# KiCad board TERES_PCB1-A64-MAIN_Rev.B.kicad_pcb (continued)
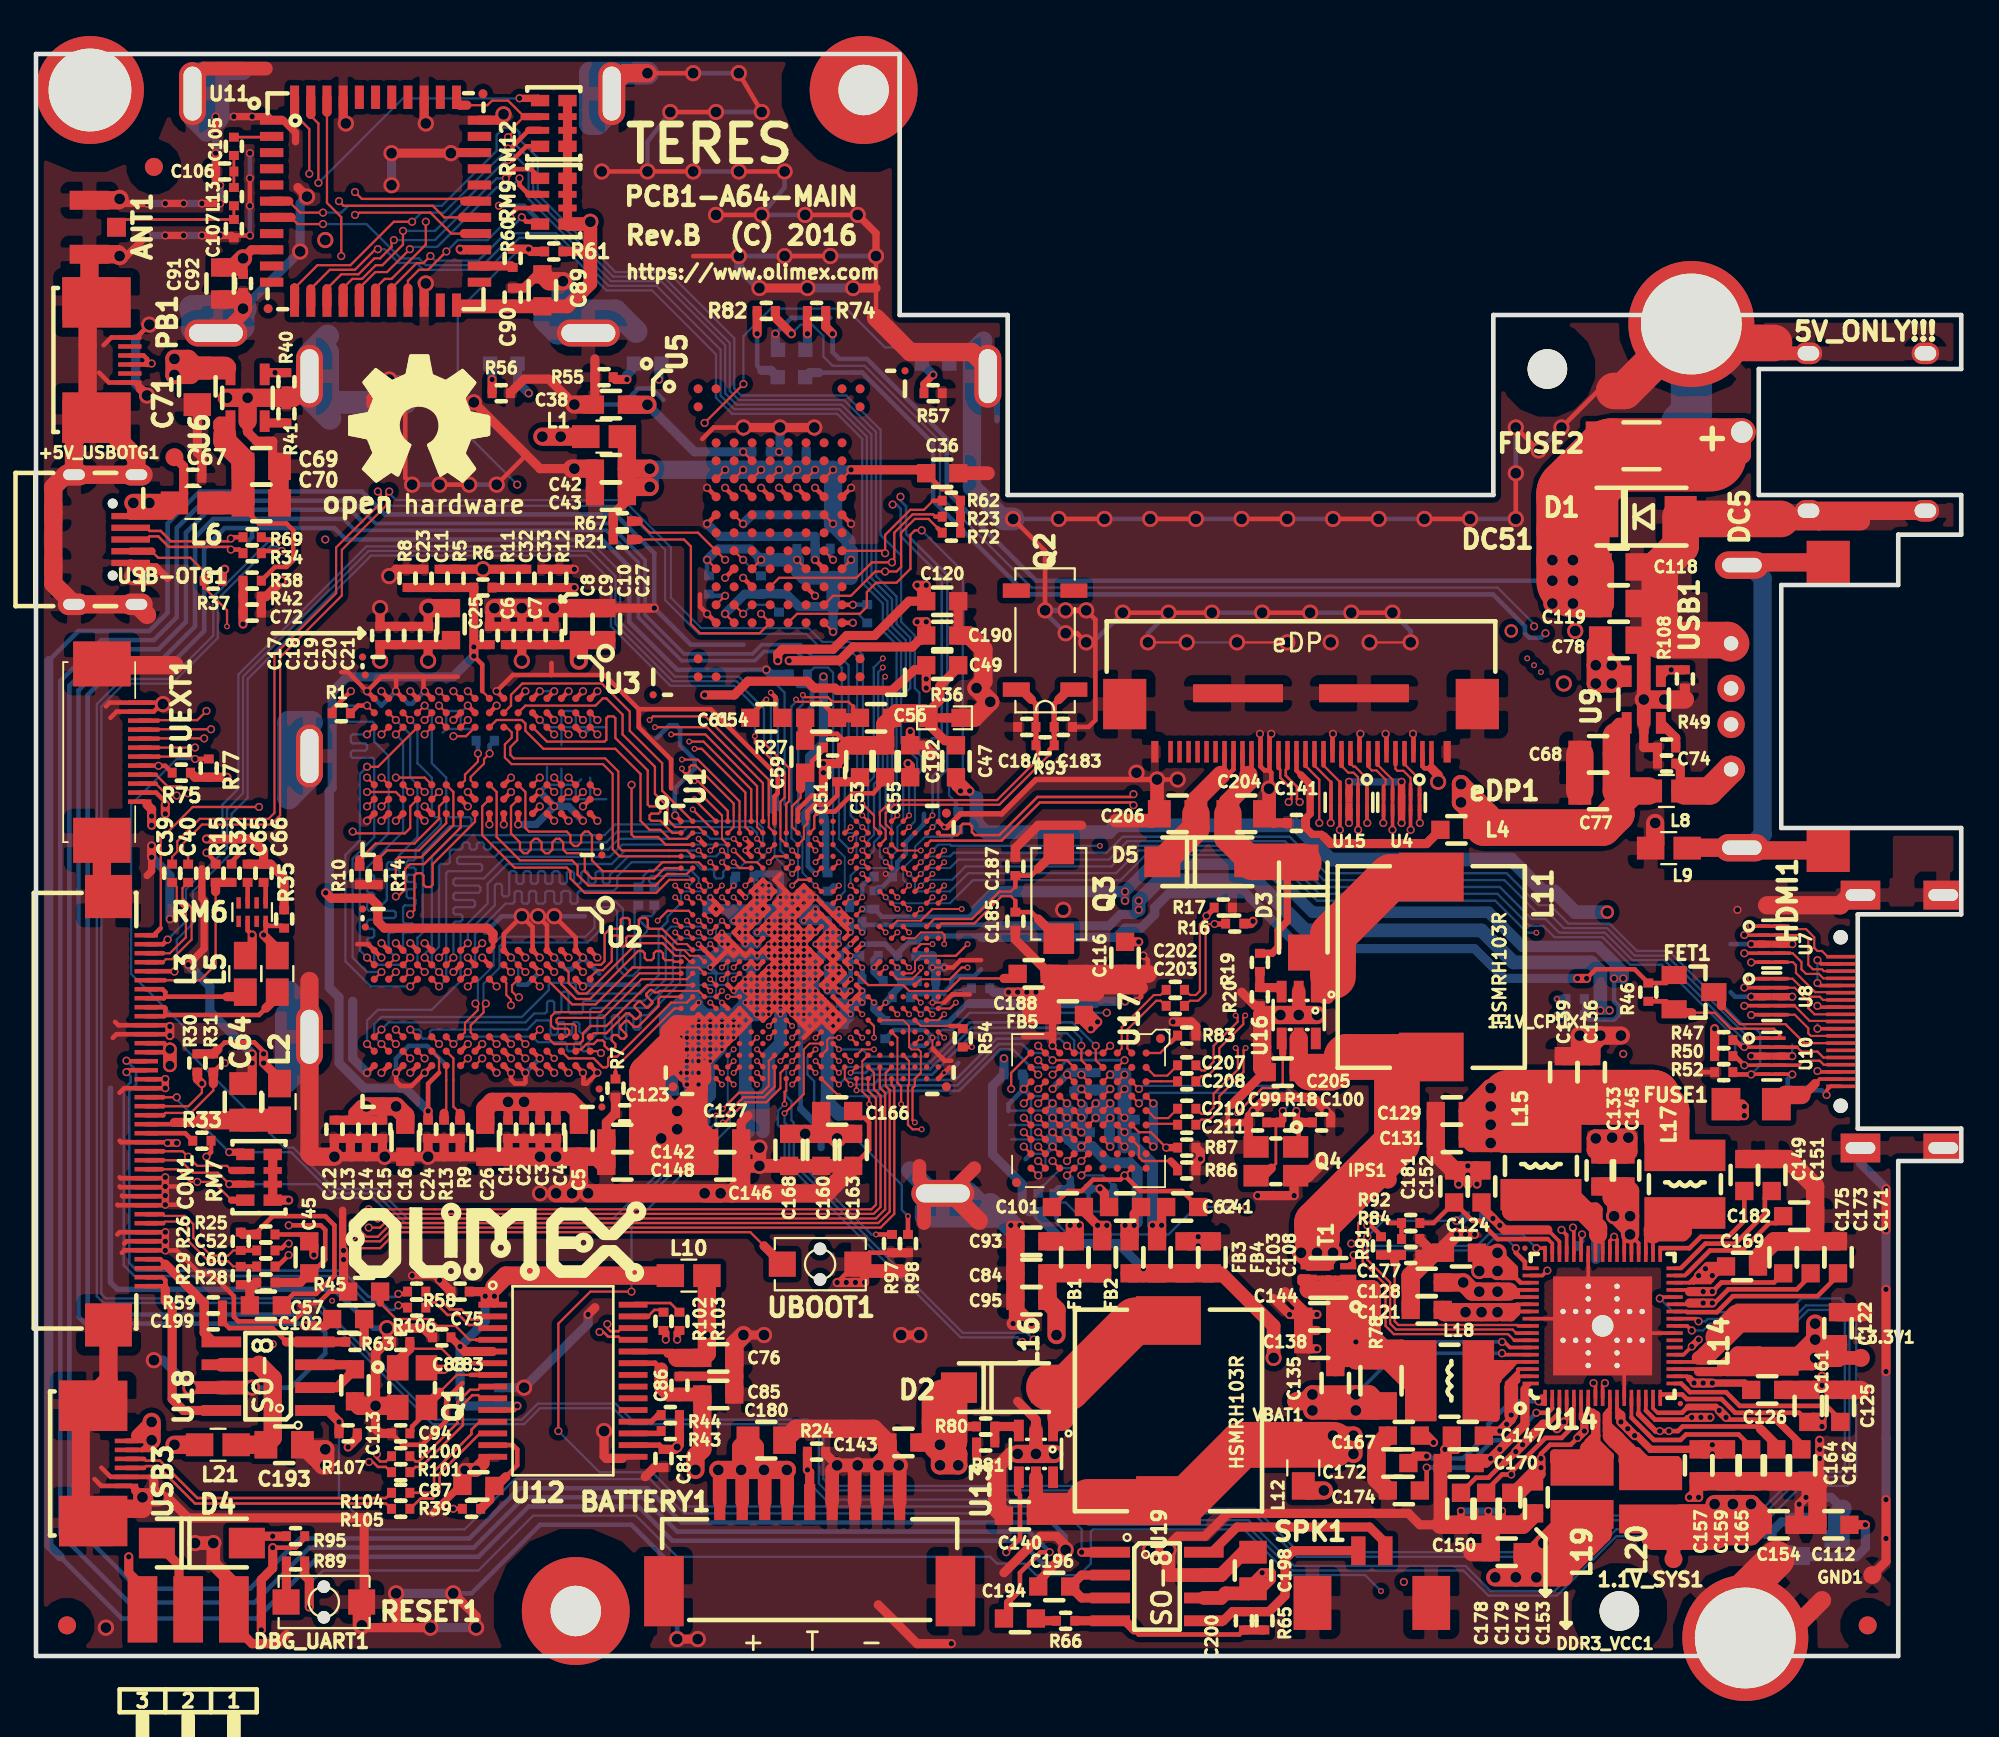
[diagram p0: board, top side]
## Routing (per net, layer and track width the routed paths; a pad name or vN(x,y) marks a point on that pad's centre or on a via; arc(x,y) is an arc through that point) (continued)
  Bottom w0.762: v2(60.5,28.3) v2(60.5,29.1) v2(60.5,29.9) v2(60.5,31.5) v2(60.5,32.3)
GND: length 3694.9
  Top w0.107: 50.5,38.25 v4(49.82,38.25) ; v4(49.82,34.35) 49.82,33.75 ; v4(49.82,36.3) 50.47,36.3
  Top w0.127: v2(20,32.4) 20.02,32.42 ; 50.5,46.03 v4(50.47,46.05) ; v2(20,53.6) 20.02,53.59 ; v2(59.7,29.9) U17.D6 ; v2(56.5,28.3) U17.G8 ; v2(56.5,32.3) U17.G2 ; 21.67,32.47 v2(21.6,32.4) ; 30.43,32.37 v2(30.4,32.4) ; v1(74.12,56.31) v1(76.4,56.31) ; v1(69.54,56.31) v1(66.75,56.31) ; v1(63.96,56.31) v1(61.8,56.31) ; U17.J9 v2(55.7,26.7) ; U17.J3 v2(54.9,31.5) ; U17.E5 v2(58.9,30.7) ; U17.G1 v2(56.5,33.9) ; U2.D8 v5(28.8,33.2) ; U17.H5 v2(56.5,30.7) ; U17.G6 v2(56.5,29.9) ; U17.G7 v2(56.5,29.1) ; U17.E6 v2(58.9,29.9) ; U17.D7 v2(59.7,28.3) ; U17.D5 v2(59.7,30.7)
  Top w0.2: HDMI1.8 99.08,36.05 v2(99.01,36.12) ; v2(99.01,37.39) 99.15,37.25 HDMI1.5 ; v2(99.01,38.66) 99.22,38.45 HDMI1.2 ; 100.3,34.85 v2(99.01,34.85)
  Top w0.203: v2(99.01,32.5) 99.1,32.5 99.15,32.45 HDMI1.17 ; U14.69 U14.69 U14.45 ; U14.69 86.67,18.74 U14.59 ; U14.69 87.47,17.94 U14.25 ; U14.69 88.27,17.14 U14.12
  Top w0.254: v2(28.8,53.6) U3.D1 ; v2(30.4,51.2) U3.B3 ; U2.G9 v2(26.4,32.4) 26.4,32.02 26.62,31.8 27.13,31.8 27.2,31.87 v2(27.2,32.4) U2.F9 ; v2(28,33.2) U2.E8 ; v2(28,38.8) U2.E1 27.6,40.5 v1(27,41.1) 26,40.1 U2.G1 v2(26.4,38.8) ; v4(38.12,36.3) U1.U5 ; U1.N4 v4(37.47,38.25) ; U1.N4 38.45,39.23 ; U1.N4 U1.M3 v4(36.82,39.55) ; v2(20,39.6) U2.P1 ; v4(39.43,45.4) U1.C7 v4(39.43,44.75) 39.75,44.42 ; v5(40.07,36.95) U1.R7 ; v5(40.07,36.95) 39.75,36.62 ; v5(40.07,36.95) U1.T8 ; v5(40.07,36.95) U1.R8 ; U1.R7 v4(39.43,36.95) ; U1.R7 v4(40.07,37.6) ; U1.R7 v4(39.43,37.6) ; v2(28.8,47.2) U3.D8 ; v2(26.8,46.2) U3.F9 ; 28.65,54.5 26.5,54.5 v2(25.6,53.6) U3.G1 ; 28.65,54.5 31.6,54.5 33.5,52.6 ; 28.65,54.5 28.65,55.17 ; 33.5,52.6 33.5,51.6 35.3,49.8 35.3,48.2 ; 33.5,52.6 37.5,52.6 41.23,48.87 41.22,47.93 41.05,47.75 41.05,46.25 ; v4(40.07,37.6) 40.4,37.92 ; v4(40.07,37.6) U1.R8 ; v4(40.07,37.6) 39.75,37.92 v4(39.43,37.6) ; 40.4,37.92 v4(40.72,38.25) ; 40.4,37.92 v5(40.72,37.6) ; U1.U8 v5(40.07,35.65) ; U1.U8 v5(40.07,36.3) ; U1.U8 v5(40.72,36.3) ; U1.U8 v4(40.72,35.65) ; v5(40.07,35.65) U1.V8 v4(40.72,35.65) ; v5(40.07,35.65) U1.U7 ; v4(40.72,38.9) U1.M9 ; v4(40.72,38.9) U1.M8 ; v4(40.72,38.9) U1.N9 ; U1.M9 v4(40.72,39.55) ; U1.M9 v5(41.38,38.9) ; U1.M9 v5(41.38,39.55) ; v5(41.38,40.85) U1.J10 ; v5(41.38,40.85) 42.03,41.5 ; v5(41.38,40.85) U1.K10 ; v5(41.38,40.85) U1.K9 ; v5(41.38,40.85) U1.J9 ; U1.J10 v4(42.03,40.85) ; U1.J10 41.38,41.5 ; v5(41.38,39.55) U1.L10 ; v5(41.38,39.55) U1.L9 ; v5(41.38,39.55) U1.M10 ; U1.L10 v5(42.03,40.2) ; U1.L10 v5(41.38,40.2) ; U1.L10 v5(42.03,39.55) ; v5(42.03,40.2) U1.K11 ; v5(42.03,40.2) U1.K10 ; v5(42.03,40.2) U1.L11 ; U1.K11 v4(42.68,40.2) ; U1.K11 v4(42.03,40.85) ; v4(40.72,38.25) U1.N9 ; v4(40.72,38.25) 41.05,37.92 ; U1.N9 v5(41.38,38.25) ; U1.N9 v5(41.38,38.9) ; v5(40.72,36.95) U1.R9 ; v5(40.72,36.95) U1.T8 ; v5(40.72,36.95) U1.T9 ; v5(40.72,36.95) U1.R8 ; U1.R9 v5(41.38,36.95) ; U1.R9 v5(40.72,37.6) ; U1.R9 v5(41.38,37.6) ; v5(41.38,36.3) U1.T10 ; v5(41.38,36.3) U1.T9 ; v5(41.38,36.3) 41.7,35.97 ; v5(41.38,36.3) U1.U9 ; U1.T10 v5(42.03,36.3) ; U1.T10 v5(41.38,36.95) ; U1.T10 v5(42.03,36.95) ; v5(41.38,37.6) 41.7,37.92 ; v5(41.38,37.6) 41.05,37.92 ; v5(41.38,37.6) U1.R10 ; 41.7,37.92 v5(42.03,38.25) ; 41.7,37.92 v5(41.38,38.25) ; 41.7,37.92 v5(42.03,37.6) ; v5(42.03,38.25) U1.N11 ; v5(42.03,38.25) U1.N10 ; v5(42.03,38.25) 42.35,37.92 ; U1.N11 v5(42.68,38.9) ; U1.N11 v5(42.68,38.25) ; U1.N11 v5(42.03,38.9) ; v5(42.03,39.55) U1.L11 ; v5(42.03,39.55) U1.M11 ; v5(42.03,39.55) U1.M10 ; U1.L11 v5(42.68,39.55) ; U1.L11 v4(42.68,40.2) ; v5(42.03,36.95) U1.R11 ; v5(42.03,36.95) U1.T11 ; v5(42.03,36.95) U1.R10 ; U1.R11 v5(42.68,36.95) ; U1.R11 v5(42.68,37.6) ; U1.R11 v5(42.03,37.6) ; v4(42.03,35.65) U1.U11 ; v4(42.03,35.65) 42.35,35.33 ; v4(42.03,35.65) 41.7,35.97 ; U1.U11 v4(42.68,35.65) ; U1.U11 v5(42.03,36.3) ; U1.U11 v5(42.68,36.3) ; v5(42.68,36.3) U1.T12 ; v5(42.68,36.3) U1.T11 ; v5(42.68,36.3) U1.U12 ; U1.T12 v4(43.32,36.95) ; U1.T12 v5(42.68,36.95) ; U1.T12 v4(43.32,36.3) ; v4(43.32,37.6) 43.65,37.92 v4(43.32,38.25) ; v4(43.32,37.6) U1.R12 ; v4(43.32,37.6) 43,37.92 ; v5(42.68,38.25) U1.N12 ; v5(42.68,38.25) 43,37.92 ; v5(42.68,38.25) 42.35,37.92 ; U1.N12 v5(42.68,38.9) ; U1.N12 v4(43.32,38.25) ; U1.N12 43.32,38.9 ; v5(42.68,39.55) U1.L12 ; v5(42.68,39.55) U1.M11 ; v5(42.68,39.55) U1.M12 ; U1.L12 v4(42.68,40.2) ; U1.L12 v4(43.32,40.2) ; v4(43.32,40.2) U1.K13 ; v4(43.32,40.2) U1.K12 v4(42.68,40.2) ; U1.M15 v4(45.28,38.9) U1.N15 v4(45.28,38.25) ; v4(43.32,42.15) U1.H13 U1.J14 ; v4(43.32,42.15) 43,41.83 ; v4(43.32,42.15) 43,42.48 ; v2(43.3,60.9) U5.L8 ; v2(38.3,59.9) U5.L3 ; v2(45.3,64.9) U5.G9 ; v2(42.3,64.9) U5.G7 ; v2(40.3,64.9) U5.G5 ; v2(38.3,64.9) U5.G3 ; v2(37.3,62.9) U5.H2 ; v2(44.53,20.75) 45.54,21.77 UBOOT1.2 46.31,22.4 R97.2 ; 32.59,10.97 32.68,11.07 U12.15 ; v2(11.89,78.92) 11.12,78.92 C107.1 ; v2(11.89,80.57) v2(11.89,82.09) ; v1(6.3,73.97) 5.58,73.25 PB1.1 4.19,73.25 3.76,72.82 ; v1(44.15,77.78) v1(41.6,77.78) ; v1(39.06,77.78) 36.53,77.78 ; v1(37.79,80.06) v1(40.34,80.06) ; v1(42.75,80.06) v1(45.67,80.06) ; v1(41.6,82.47) v1(39.06,82.47) ; v1(36.53,82.47) v1(33.99,82.47) v1(31.44,82.47) ; v1(35.25,85.78) v1(37.79,85.78) ; v1(40.34,85.78) v1(39.06,87.94) ; v1(36.53,87.94) v1(33.99,87.94) ; v2(72.09,51.23) 72.06,51.2 eDP1.12 ; v2(73.61,51.23) 73.56,51.18 eDP1.9 ; v2(75.01,51.23) 75.06,51.18 eDP1.6 ; v2(68.66,51.23) 68.56,51.13 eDP1.19 68.56,49.2 ; v2(68.02,51.23) 68.06,51.2 eDP1.20 68.06,49.42 68.28,49.2 68.56,49.2 ; 66.24,29.52 66.24,30.4 66.5,30.66 ; 49.82,33.75 50.37,33.2 ; 50.37,33.2 50.35,33.22 ; 50.37,33.2 50.5,33.07 50.88,33.07 ; v1(68.53,48.18) 68.66,48.31 68.66,49.07 68.56,49.17 68.56,49.2 ; U2.P9 20.02,32.42 20.02,31.93 20.27,31.67 20.87,31.67 U2.M9 ; v1(27.9,41.1) 28.4,40.6 U2.D1 v2(28.8,38.8) ; v1(28.8,41.1) 30,39.9 U2.B1 v2(30.4,38.8) ; 17.86,39.55 18.45,39.55 U2.T1 v2(19.2,38.8) ; 18.36,53.64 v2(18.4,53.6) 19.21,54.41 20.02,54.41 ; 18.36,53.64 17.34,54.66 16.97,54.66 ; 18.36,53.64 U3.T1 ; 20.02,54.41 20.02,54.28 20.02,54.41 ; 20.02,54.41 21.54,54.41 ; 20.02,54.41 20.02,53.59 U3.P1 ; 21.54,54.41 21.54,53.66 v2(21.6,53.6) U3.M1 ; 21.54,54.41 23.44,54.41 ; 36.91,58.98 36.91,58.29 v2(37.3,57.9) U5.P2 ; 52.53,38.66 51.38,38.66 50.97,38.25 v4(50.47,38.25) ; 50.5,32.42 v4(50.47,32.4) ; 50.5,32.42 U1.AC23 ; 50.5,32.42 50.76,32.69 51,32.69 ; 42.35,35.33 v4(42.68,35.65) ; 42.35,35.33 42.68,35 ; v4(42.68,35.65) 43,35.33 ; v4(42.68,35.65) U1.U12 ; 42.68,35 43,35.33 ; 42.68,35 43,34.67 ; 43,35.33 43.32,35.65 ; 43,35.33 43.32,35 ; 43.32,35.65 43.65,35.33 ; 43.32,35.65 43.65,35.97 ; 43.32,35.65 U1.U12 ; 43.65,35.97 v4(43.32,36.3) ; 43.65,35.97 43.97,36.3 ; 43.65,35.97 U1.V14 ; v4(43.32,36.3) U1.T13 ; v4(43.32,36.3) U1.U12 ; 43.97,36.3 U1.T13 ; 43.97,36.3 44.3,35.97 ; U1.T13 v4(43.32,36.95) ; 43.97,35 43.65,35.33 ; 43.97,35 44.3,34.67 44.62,35 ; 43.97,35 U1.V14 ; 43.65,35.33 44.3,35.97 ; 43.65,35.33 43.32,35 ; 44.62,35.65 44.3,35.97 ; 44.62,35.65 44.95,35.33 44.62,35 ; 44.62,35.65 U1.V14 ; 44.62,35 U1.V14 ; 43.32,38.9 U1.N13 v4(43.32,38.25) ; 43.32,38.9 U1.M12 ; 42.68,42.15 42.03,41.5 ; 42.68,42.15 43,41.83 ; 42.68,42.15 U1.G11 ; 42.68,42.15 43,42.48 ; 42.03,41.5 U1.J11 ; 42.03,41.5 41.7,41.83 ; U1.G11 42.68,42.8 43,42.48 ; U1.G11 v4(42.03,42.15) ; 44.62,40.85 44.95,40.52 ; 44.62,40.85 U1.J14 ; 44.62,40.85 U1.J15 ; 44.95,40.52 v4(45.28,40.2) U1.L15 ; 44.95,40.52 v4(45.28,40.85) U1.J15 ; 43,41.83 42.68,41.5 ; 42.68,41.5 U1.J11 ; 42.68,41.5 v4(42.03,42.15) ; 38.45,39.23 v4(38.12,39.55) ; 38.45,39.23 38.78,38.9 39.1,39.23 ; 38.45,39.23 38.78,39.55 ; v4(38.12,39.55) U1.L4 v4(38.12,40.2) U1.L5 ; v4(38.12,39.55) U1.L5 ; 38.78,39.55 39.1,39.23 ; 38.78,39.55 U1.L5 ; 39.1,39.23 39.43,38.9 39.75,39.23 v4(40.07,38.9) U1.M8 ; 41.38,43.45 41.05,43.12 41.7,42.48 ; 41.38,41.5 41.7,41.83 ; 41.38,41.5 U1.J9 ; 41.38,41.5 41.05,41.83 v4(41.38,42.15) ; 41.7,41.83 v4(42.03,42.15) ; 41.7,41.83 v4(41.38,42.15) ; v4(41.38,42.15) 41.7,42.48 ; 39.75,36.62 v4(39.43,36.3) U1.U7 ; 39.75,36.62 v5(40.07,36.3) ; 39.75,36.62 v4(39.43,36.95) ; 41.7,35.97 v5(42.03,36.3) ; 41.7,35.97 v4(41.38,35.65) U1.U9 ; v5(42.03,36.3) U1.T11 ; v4(42.03,42.15) 41.7,42.48 ; 51.89,36.75 50.93,36.75 50.47,36.3 ; 43.32,35 43,34.67 ; 43,34.67 42.68,34.35 ; R45.1 16.33,20.24 15.7,19.61 15.32,19.61 14.94,19.23 ; 14.94,19.23 14.3,18.59 11.25,18.59 11,18.85 11,19.99 9.73,21.26 9.09,21.26 7.82,22.53 v2(7.19,22.53) 7.17,22.54 CON1.5 4.92,22.54 4.78,22.4 ; 14.94,19.23 14.68,19.48 ; v1(20.9,65.08) 20.52,65.46 v1(20.52,69.65) ; v1(22.43,65.08) v1(24.08,65.08) ; v1(25.6,65.08) 27.25,66.73 27.13,66.6 27.13,66.85 ; v1(65.35,57.96) v1(62.94,57.96) v1(60.4,57.96) ; v1(68.15,57.96) v1(70.81,57.96) ; v1(73.1,57.96) v1(75.39,57.96) ; v1(58.37,56.31) 57.86,56.82 v1(57.23,56.82) ; v1(54.31,63.17) 56.08,61.39 v1(56.08,58.09) ; v1(56.84,63.17) v1(59.38,63.17) ; v1(61.93,63.17) v1(64.47,63.17) ; v1(67,63.17) v1(69.54,63.17) ; v1(72.09,63.17) v1(74.62,63.17) ; v1(77.16,63.17) v1(79.71,63.17) ; v1(82.25,63.17) v1(82.25,65.71) ; v1(82.25,68.25) v1(83.51,66.98) ; v1(84.78,68.25) 86.82,70.28 87.71,70.28 ; v2(61.54,38.91) 61.8,38.66 61.8,37.9 ; v2(61.16,36.37) 61.42,36.63 61.42,37.13 ; 46.69,74.35 v1(46.69,77.78) ; 37.03,67.62 37.67,68.25 v1(39.32,68.25) ; 5.79,70.41 5.45,70.75 PB1.6 4.05,70.75 3.5,71.3 ; 5.54,9.19 5.28,9.45 3.63,9.45 3.25,9.83 ; 3.63,10.47 4.15,9.95 6.31,9.95 6.55,9.7 ; v2(7.19,23.04) 7.18,23.04 CON1.6 5.03,23.04 4.9,22.91 ; v2(7.19,23.55) 7.19,23.54 CON1.7 4.64,23.54 4.52,23.42 ; v2(7.19,26.59) 7.14,26.54 CON1.13 4.7,26.54 4.65,26.59 ; v2(7.19,25.58) 7.15,25.54 CON1.11 4.81,25.54 4.78,25.58 ; v2(7.31,28.5) 7.27,28.54 CON1.17 4.73,28.54 4.65,28.63 ; v2(7.19,31.55) 7.18,31.54 CON1.23 4.9,31.54 4.65,31.29 ; v2(7.19,32.06) 7.18,32.04 CON1.24 ; v2(7.44,34.98) 7.38,35.04 CON1.30 4.58,35.04 4.39,35.23 ; v2(7.44,34.47) 7.37,34.54 CON1.29 4.47,34.54 4.27,34.34 ; 4.65,26.09 4.69,26.04 CON1.12 7.14,26.04 v2(7.19,26.09) 7.95,26.09 ; 4.52,25.07 4.55,25.04 CON1.10 7.16,25.04 v2(7.19,25.07) 7.95,25.07 ; 3.89,52.76 4.1,52.97 EUEXT1.12 6.97,52.97 v1(7.06,52.88) 6.96,52.88 6.54,52.47 EUEXT1.11 4.48,52.47 4.14,52.12 ; U2.J8 v2(24.8,34) ; U1.K10 v4(42.03,40.85) ; U1.K10 v5(41.38,40.2) ; 43,37.92 v5(42.68,37.6) ; 43,37.92 v4(43.32,38.25) ; U1.N10 v5(41.38,38.9) ; U1.N10 v5(42.03,38.9) ; U1.N10 v5(41.38,38.25) ; R98.2 48.54,22.4 ; 61.16,48.69 v1(61.16,49.07) ; v4(36.82,45.4) U1.C3 ; U3.E8 v2(28,48) ; U1.T8 v5(40.72,36.3) ; U1.T8 v5(40.07,36.3) ; v5(40.72,36.3) U1.T9 ; v5(40.72,36.3) U1.U9 ; v4(43.32,36.95) U1.R12 ; U1.M11 v5(42.68,38.9) ; U1.M11 v5(42.03,38.9) ; U1.J14 v4(44.62,41.5) U1.J15 ; U3.B9 v2(30.4,46.4) ; U1.L9 v5(41.38,40.2) ; U1.L9 v4(40.72,39.55) ; U1.L9 v4(40.72,40.2) ; U3.P9 v2(20,46.4) ; v5(41.38,38.9) U1.M10 ; U1.R5 v4(38.78,36.95) U1.R6 ; U1.R12 v5(42.68,36.95) ; U1.R12 v5(42.68,37.6) ; U2.M1 v2(21.6,39.6) ; U1.M8 v4(40.72,39.55) ; 41.05,37.92 v5(41.38,38.25) ; 41.05,37.92 v5(40.72,37.6) ; R52.2 92.41,32.44 ; U1.R8 v5(40.72,37.6) ; U1.T11 v5(42.68,36.95) ; U1.R10 v5(42.03,37.6) ; U1.R10 v5(41.38,36.95) ; v5(42.03,37.6) 42.35,37.92 ; U5.G6 v2(41.3,64.9) ; v5(41.38,40.2) U1.K9 ; U1.K9 v4(40.72,40.2) ; U1.K9 v4(40.72,40.85) ; U1.J11 v4(42.03,40.85) ; v5(42.03,38.9) U1.M10 ; U1.U9 v4(40.72,35.65) ; v4(39.43,37.6) U1.R6 ; U1.R6 v4(39.43,36.95) ; U1.T9 v5(41.38,36.95) ; v5(42.68,38.9) U1.M12 ; U2.E2 v2(28,38) ; U1.J9 v4(40.72,40.85) ; eDP1.3 76.56,51.2 v2(76.53,51.23) ; v5(40.07,36.3) U1.U7 ; v2(18.4,46.4) U3.T9 ; U1.A1 v2(35.53,46.7) ; U5.G8 v2(43.3,64.9) ; 5.91,8.82 v1(5.92,8.81) ; U3.J8 v2(24,48) ; C183.2 58.5,51.61 58.88,51.99 58.88,57.58 v1(58.37,58.09) ; U1.H4 38.12,41.5 37.8,41.17 37.47,41.5 U1.H4 ; U1.H4 v4(37.47,42.15) ; v4(40.72,40.85) U1.K8 ; U1.K8 v4(40.72,40.2) ; U1.K8 v4(40.07,40.2) ; U2.A9 v2(31.2,32.4) 30.6,31.8 30.43,31.8 30.43,32.37 U2.B9 ; U3.E2 v2(28,52) ; U2.B3 v2(30.4,37.2) ; 39.32,17.83 v1(39.32,17.83) ; 19.76,12.37 20.4,11.73 21.46,11.73 22.81,13.08 22.81,14.28 23.7,15.16 ; v5(42.68,37.6) 42.35,37.92 ; C163.1 46.3,28.12 46.3,29.64 46.05,29.9 45.8,29.9 C166.1 ; U1.A23 50.5,46.03 ; U2.T9 v2(18.4,32.4) ; U1.R15 v4(45.28,37.6) ; U3.E1 v2(28,53.6) ; U3.A9 v2(31.2,46.4) ; U3.M9 v2(21.6,47.2) ; v1(62.31,48.69) v1(63.45,48.69) ; U2.G8 v2(26.4,33.2) ; U3.J2 v2(24,52.8) ; U5.M7 v2(43.3,58.9) ; U5.P9 v2(45.4,57.4) ; U3.G9 v2(26,46.2) ; U3.G8 v2(26.4,48) ; U2.J2 v2(24,38.8) ; U3.B1 v2(30.4,53.6) ; U5.G4 v2(39.3,64.9) ; U1.G6 v4(39.43,42.15) ; U5.M4 v2(39.3,59.9) ; U5.H9 v2(45.3,62.9) ; U5.G2 v2(37.3,64.9) ; C70.1 13.54,63.8 ; U1.U2 v4(36.82,36.3)
  Top w0.305: 24.84,10.72 25.19,11.07 U12.14 ; 50.5,46.03 50.63,46.03 51.38,46.79 53.67,46.79 55.57,48.69 v1(62.31,48.69) ; v1(57.23,58.09) v1(58.37,58.09)
  Top w0.406: v2(95.33,39.55) U7.3 ; v2(6.17,80.7) 4.9,80.7 v1(4.65,80.95) ; v2(7.19,80.7) v2(8.2,80.7) ; v2(9.22,80.7) v2(10.24,80.7) ; v2(10.24,81.71) 9.98,81.97 C106.1 v2(9.98,83.49) ; v2(6.17,78.92) 5.03,77.78 v1(4.65,77.78) ; v2(7.19,78.92) v2(8.2,78.92) ; v2(9.22,78.92) v2(10.24,78.92) 10.87,78.92 C107.1 ; v2(9.98,84.51) v2(9.98,85.52) ; v2(11,85.52) v2(12.01,85.52) 12.9,85.52 U11.1 13.74,85.32 14.43,84.63 14.43,84.12 ; v1(5.41,59.99) 5.26,60.14 5.26,60.5 ; 5.26,60.5 6.43,60.5 ; 5.26,60.5 USB-OTG1.5 ; 6.43,60.5 6.3,60.38 v1(6.3,59.99) ; 6.43,60.5 6.68,60.5 7.31,59.87 ; v2(79.96,8.05) 79.96,7.29 ; 79.96,7.29 79.96,7.54 79.96,7.29 ; v2(80.72,8.05) 80.72,7.42 C179.1 ; v2(81.48,8.05) 81.48,7.29 C176.1 ; v2(67.64,30.28) 67.39,30.02 C99.2 66.24,29.64 66.24,29.52 ; FB5.2 56.5,35.58 56.5,34.47 ; 17.04,24.77 17.04,22.58 v2(17.09,22.53) ; 56.5,34.47 v2(56.5,33.9) ; 56.5,34.47 54.94,34.47 ; v1(45.67,80.06) 46.69,79.05 v1(46.69,77.78) ; v2(20.9,21.13) 22.17,21.13 v2(22.43,20.88) ; 22.05,7.92 23.57,9.45 C87.2 ; v2(7.19,23.55) v2(7.19,23.04) v2(7.19,22.53) ; v2(7.82,28.5) 7.44,28.5 ; v2(8.46,38.41) 9.35,39.29 9.35,41.96 9.22,42.09 9.22,43.74 ; 6.17,43.36 6.43,43.61 v2(6.43,44.37) ; v2(72.97,48.56) U15.3 ; v2(7.19,26.59) v2(7.19,26.09) v2(7.19,25.58) v2(7.19,25.07) ; U4.8 U4.3 ; U4.3 v2(75.9,46.28) ; U4.3 v2(75.9,48.56) ; U15.8 v2(72.97,46.28) ; C178.1 v2(79.2,8.05) ; U10.8 v2(97.61,33.33) ; U7.8 v2(97.61,39.55) ; U10.3 v2(95.33,33.33) ; U8.3 v2(95.33,36.63) ; v2(7.19,32.06) v2(7.19,31.55) ; U8.8 v2(97.61,36.63)
  Top w0.508: 46.81,2.85 48.97,0.69 v2(50.88,0.69) ; v2(102.82,20.37) v2(102.82,15.8) ; v2(102.82,8.69) v2(102.82,6.53) 102.82,5.26 GND1.1 ; v2(99.14,11.99) v2(99.14,11.48) v2(99.14,10.97) 99.14,9.7 ; v2(99.26,14.53) 98.75,14.53 C161.1 98.75,15.04 v2(99.26,15.04) ; v2(99.26,14.53) 100.03,14.53 C125.1 100.03,15.04 v2(99.26,15.04) ; v2(99.26,14.53) v2(99.26,15.04) ; v2(99.26,15.04) v2(99.26,15.55) ; v2(79.96,23.42) v2(79.45,23.42) v2(78.94,23.42) ; 79.07,26.72 v2(79.58,26.72) ; 79.07,26.72 v2(79.07,26.21) ; 79.07,26.72 C181.1 ; 79.07,26.72 C181.1 ; v2(79.58,26.72) 80.09,26.72 ; v2(79.58,26.72) v2(79.58,26.21) ; v2(79.58,26.72) v2(79.58,27.23) ; 80.09,26.72 v2(80.09,26.21) ; 80.09,26.72 C152.2 ; 80.09,26.72 C152.2 ; v2(78.31,11.48) 78.31,10.85 C170.1 ; v2(78.31,11.48) v2(78.94,11.48) 78.94,11.99 C147.2 78.69,11.86 v2(78.31,11.48) ; 98.37,9.45 v2(98.37,8.81) v2(97.99,8.43) 97.99,7.54 C154.1 ; v2(48.59,51.36) 48.59,50.98 48.72,50.6 ; v2(71.2,18.97) 70.56,18.97 C144.2 ; 32.59,10.97 31.7,10.97 31.57,11.1 v1(31.57,12.5) ; v2(22.68,15.93) 21.79,15.93 Q1.3 ; C13.2 C14.2 ; C13.2 C12.2 v1(16.59,27.74) 17.6,27.74 ; C13.2 17.47,27.74 17.6,27.74 ; C14.2 18.36,27.74 ; C14.2 C15.2 19.25,27.86 v1(19.38,27.74) ; 17.6,27.74 18.36,27.74 ; 18.36,27.74 18.36,27.86 18.36,27.74 ; 18.36,27.74 v1(19.38,27.74) ; v1(19.38,27.74) v1(21.79,27.74) ; R13.2 C24.2 v1(21.79,27.74) ; R13.2 22.68,27.74 ; R13.2 R9.2 23.57,27.74 ; 23.57,27.74 23.57,27.86 23.57,27.74 ; 23.57,27.74 22.68,27.74 ; 23.57,27.74 24.97,27.74 ; 22.68,27.74 22.68,27.86 22.68,27.74 ; 22.68,27.74 v1(21.79,27.74) ; v1(28.91,27.74) 28.91,27.99 v1(28.91,27.74) ; v1(28.91,27.74) C4.2 C3.2 ; v1(28.02,27.74) 28.02,27.99 v1(28.02,27.74) ; v1(28.02,27.74) C3.2 ; 27.13,27.74 27.13,27.86 27.13,27.74 ; 27.13,27.74 C2.2 ; v1(25.48,58.22) 25.22,57.96 C25.2 C6.2 ; 27.76,58.22 27.76,58.09 27.89,58.22 C8.2 ; v1(21.67,76.25) 21.57,76.16 U11.20 ; v1(17.22,85.14) 17.07,85.29 U11.41 ; v1(25.98,85.65) 25.66,85.32 U11.33 ; C71.2 8.97,66.85 9.22,66.6 C67.2 ; v2(12.01,33.45) v2(12.01,32.94) 12.01,32.31 C64.2 11.12,31.8 ; v2(13.67,59.74) 12.78,58.85 R42.1 C72.1 ; 21.54,69.65 v1(22.43,69.65) v1(24.33,69.65) 28.02,65.96 29.79,65.96 ; 21.54,69.65 v1(20.52,69.65) ; 21.54,69.65 v1(21.54,70.92) ; v1(19.63,70.92) 18.62,69.9 18.62,69.52 ; v2(79.58,27.23) 79.07,27.23 C181.1 ; v2(79.58,27.23) 80.09,27.23 C152.2 ; 78.05,7.29 76.91,7.29 76.28,7.92 66.24,7.92 64.97,6.66 63.45,6.66 62.94,6.15 v1(62.94,5.89) ; 53.8,4.62 55.83,6.66 56.72,6.66 57.23,6.15 v1(57.23,5.89) 57.23,5.77 55.7,4.11 C196.2 ; v2(54.05,36.88) v2(54.56,36.88) v2(55.07,36.88) 55.07,35.86 55.32,35.61 ; 59.64,24.94 59.38,25.2 59.38,25.7 v2(59.13,25.96) ; R86.2 64.47,27.36 v2(64.72,27.61) 64.72,27.99 R87.2 ; v2(63.19,35.23) 64.21,35.23 64.47,34.98 R83.2 ; C99.2 67.39,28.71 Q4.3 ; 66.5,30.66 68.28,32.44 C205.2 ; 67,36.88 67.77,36.12 R20.2 ; C185.2 54.43,39.8 56.34,37.9 ; 58.12,46.15 55.7,46.15 54.43,44.88 C187.2 ; C141.2 68.78,46.28 68.28,46.79 ; C90.1 27.13,76 27.89,76.76 C89.1 ; v3(23.83,10.34) 23.7,10.21 C87.2 ; 13.92,1.19 13.41,0.69 12.01,0.69 11,1.7 DBG_UART1.1 ; 54.56,14.15 55.57,13.13 U13.2 ; 39.57,30.02 39.19,29.64 C137.1 ; C83.2 21.54,18.21 v1(19.51,18.21) 19.51,17.7 19.76,17.45 19.51,17.45 18.87,16.81 18.87,13.89 ; 49.86,50.09 49.35,50.6 C192.1 ; 69.42,20.24 70.43,19.23 C144.2 ; UBOOT1.2 46.05,21.4 v2(46.05,20.75) v2(45.54,20.75) v2(45.03,20.75) v2(44.53,20.75) ; v1(40.46,17.83) v1(39.32,17.83) ; v1(36.78,0.94) v1(35.64,0.94) ; v2(71.2,17.07) 70.69,17.07 C138.2 ; v2(30.68,18.97) 31.06,19.36 ; v1(21.92,1.58) 18.24,1.58 v1(18.11,1.7) ; v1(24.46,1.58) 24.46,2.21 v1(23.19,3.48) ; v1(20.02,3.48) 20.02,1.58 ; v2(6.43,44.37) v2(6.43,45.01) ; v1(15.06,81.08) 14.55,81.59 ; v1(42.88,76) v1(40.21,76) ; v1(43.26,68.25) v1(41.35,68.25) v1(39.32,68.25) ; v1(49.1,17.83) v1(48.08,17.83) ; 18.87,13.89 v1(18.87,13.9) ; 18.87,13.89 18.87,12.62 19.13,12.37 19.76,12.37 ; RESET1.2 18.24,3.14 18.24,7.67 8.46,7.67 7.31,8.81 v1(6.81,8.81) ; R24.2 43.89,11.23 v1(44.53,10.59) ; v2(7.44,34.47) v2(7.44,34.98) ; C2.2 C3.2 ; C2.2 C1.2 26.24,27.74 ; 33.86,9.96 34.37,10.47 C81.2 ; 31.7,58.22 v2(34.37,58.22) ; v2(17.09,22.53) v2(17.09,22.02) 17.09,20.24 R45.1 ; 6.55,9.7 6.55,9.07 ; U11.31 23.1,83.52 v1(23.06,83.49) v1(19.76,83.49) ; 68.78,19.86 v2(69.67,18.97) 70.31,18.97 C144.2 ; v2(67.89,25.58) v2(69.93,25.58) 69.93,26.6 Q4.3 ; R81.2 52.27,11.1 ; v1(21.79,58.22) C20.2 C19.2 C18.2 C17.2 v1(19.13,58.22) ; R36.1 R36.1 ; U9.2 89.36,50.47 R49.1 C74.2 ; v1(11.51,74.85) 11.5,74.85 ; C69.1 13.16,66.47 13.16,67.49 12.27,67.49 11.76,68 U6.2 ; v1(27,58.22) C7.2 ; C7.2 C8.2 ; C7.2 C6.2 ; R41.1 R40.1 ; v2(29.92,60.38) R12.1 C33.1 ; C120.1 C190.1 ; R97.2 R98.2 ; C177.1 77.04,22.28 77.29,22.02 77.29,22.78 R84.1 ; C92.1 11.51,75.36 ; C6.2 26.11,58.22 ; C8.2 C9.2 v1(28.78,58.22) ; v1(21.67,85.14) 21.57,85.23 U11.36 ; C86.2 38.81,15.55 ; v2(102.82,25.96) v2(102.82,23.67) ; C38.1 R55.2 31.06,72.06 ; C100.1 71.96,30.02 v2(71.7,30.28) 70.94,31.04 68.4,31.04 v2(67.64,30.28) ; v1(19.63,59.99) 20.02,60.38 R8.1 C23.2 ; v1(29.92,69.53) 28.51,70.94 27.12,70.94 26.36,70.18 R56.2 ; R108.1 91.64,53.14 ; 5.79,70.41 v1(6.17,70.03) ; 5.54,9.19 v1(5.92,8.81) ; C159.1 93.68,9.45 ; C75.2 v2(22.43,20.88) ; 46.69,76 v1(45.41,76) ; R14.2 R10.2 ; 31.7,28.75 31.7,29.64 C123.1 R7.1 ; 70.43,18.08 v2(71.2,18.08) ; 92.41,9.32 C157.1 v2(92.41,8.81) v2(91.9,8.81) 92.41,9.32 ; 54.69,23.29 v2(54.69,23.93) v2(54.18,23.93) 54.18,23.29 C93.1 54.69,23.29 ; 64.08,22.78 v2(64.59,22.78) v2(64.59,23.29) 64.08,23.29 C103.2 64.08,22.78
  Top w0.711: U18.7 v1(8.58,14.91) ; v2(54.81,18.47) v2(54.31,18.47) 54.43,18.59 C95.2 54.43,19.36 v2(55.32,18.47) v2(54.81,18.47)
  Top w0.762: 78.05,7.29 78.05,10.59 C170.1 ; C124.2 78.31,22.78 v2(78.94,23.42) ; v1(68.53,48.18) 68.53,47.04 68.28,46.79 ; v1(62.31,48.69) 62.31,46.91 62.43,46.79 62.05,46.41 60.02,46.41 ; 65.86,4.5 67.13,5.77 C198.2 ; 65.86,4.5 U19.7 ; 65.86,4.5 U19.7 ; U19.7 62.94,4.5 v1(62.94,5.89) v1(61.93,5.89) ; 53.42,10.47 54.18,11.23 v1(54.56,11.23) ; 71.45,27.48 70.65,26.68 Q4.3 ; v3(23.83,10.34) v3(24.46,10.34) 24.84,10.72 ; v1(8.84,6.27) v1(9.86,6.27) 9.86,5.13 11,3.99 DBG_UART1.1 ; 49.1,27.23 49.1,26.47 49.87,25.7 HOLE1.1 ; 52.15,27.1 50.74,25.7 HOLE1.1 ; 49.35,24.05 49.35,25.07 49.98,25.7 HOLE1.1 ; 48.08,21.39 46.06,21.39 UBOOT1.2 ; DC5.2 97.17,72.37 96.6,72.95 ; v1(11.51,74.85) 11.51,74.6 10.41,73.5 HOLE5.1 ; 12.78,88.19 9.35,88.19 8.7,87.54 HOLE8.1 ; 61.42,37.13 59.13,37.13 58.88,36.88 ; 6.55,9.07 v1(6.81,8.81) ; v1(45.67,10.59) v1(46.81,10.59) ; v1(45.67,10.59) 45.5,10.42 BATTERY1.3 ; v1(45.67,10.59) v1(44.53,10.59) 44.25,10.32 BATTERY1.4 ; v1(46.81,10.59) 46.75,10.53 BATTERY1.2 ; v1(46.81,10.59) v1(47.96,10.59) 48,10.55 BATTERY1.1 ; U18.7 v1(12.01,14.91) ; C163.1 C160.1 C168.1 v1(40.21,27.23) ; HOLE1.1 50.24,25.7 ; v1(40.21,27.23) C146.1 ; v1(40.21,27.23) v1(40.21,28.25) 39.32,28.25 39.19,28.12 ; U13.2 v1(55.57,11.23) ; U16.2 v1(70.18,35.61) ; C162.1 98.37,9.45 ; C78.2 89.36,56.06 v1(89.36,53.14) U9.2 ; C36.1 52.91,65.71
  Top w1.016: DC5.2 104.98,63.68 104.92,63.62 DC5.2 ; C173.2 98.88,23.29 C182.1 98.88,26.09 97.36,27.61 C151.2 C149.2 ; C173.2 C175.2 96.6,23.04 95.71,22.15 C169.2 ; C173.2 C171.2 ; 78.05,7.29 C178.1 ; C124.2 77.67,22.4 76.4,21.13 C128.2 C121.2 ; 38.7,25.7 43.89,25.7 C163.1 ; 38.7,25.7 v1(38.05,25.7) ; 38.7,25.7 39.19,26.19 C146.1 C137.1 ; v1(38.05,25.7) v1(30.68,25.7) ; v1(38.05,25.7) v1(37.16,25.7) ; v1(28.91,25.7) v1(29.79,25.7) 30.18,26.33 30.18,27.74 ; v1(18.11,1.7) 18.11,2.99 RESET1.2 ; 30.18,27.74 v1(28.91,27.74) v1(28.02,27.74) 24.97,27.74 ; 30.18,27.74 31.19,27.74 31.7,27.23 31.7,28.75 ; v1(25.48,58.22) v1(27,58.22) v1(28.78,58.22) 31.7,58.22 ; v1(4.65,80.95) 4.57,80.88 ANT1.2 ; v1(4.65,77.78) 4.55,77.88 ANT1.2 2.97,75.41 PB1.0 2.87,75.31 2.87,69.3 PB1.0 ; v1(6.3,59.99) v1(5.41,59.99) ; v1(29.92,65.96) 29.79,65.96 C42.2 C43.2 ; v1(71.2,35.61) v1(70.18,35.61) v1(69.16,35.61) 68.15,35.61 68.15,32.69 C205.2 ; C179.1 80.85,7.04 C150.1 79.83,5.77 ; C179.1 C176.1 82.63,7.29 C153.1 ; C179.1 79.96,7.29 ; C140.1 53.42,8.18 53.42,10.47 ; 56.46,36.75 56.46,37.77 56.34,37.9 C116.1 61.8,37.9 ; 56.46,36.75 FB5.2 55.32,35.61 ; 56.46,36.75 56.59,36.88 ; 55.07,36.63 56.34,36.63 56.59,36.88 ; 56.59,36.88 58.88,36.88 58.62,36.88 ; C91.1 11.51,75.36 v1(11.51,74.85) ; 52.4,24.18 50.88,25.7 HOLE1.1 ; 99.26,3.1 97.16,1 95,1 ; 96.22,41.71 100.28,41.71 100.85,42.27 HDMI1.0 ; 99.09,63.04 101.42,63.04 ; 99.09,63.04 DC5.2 ; 99.09,63.04 97.1,63.04 96.98,63.17 98.06,63.17 DC5.2 ; 85.8,33.33 C136.1 86.44,33.96 v1(86.94,34.47) ; 85.8,33.33 v1(85.8,34.47) v1(86.94,34.47) ; 85.8,33.33 C139.1 ; v1(86.94,34.47) v1(88.09,34.47) ; v1(16.59,27.74) 15.36,27.74 15.2,27.9 HOLE2.1 15.2,37.5 ; HOLE3.1 15.2,70.8 14.3,69.9 v1(11.76,69.9) ; 46.69,74.35 48.59,72.44 52.02,72.44 52.9,71.56 HOLE4.1 ; v1(33.99,87.94) 32.72,87.94 32,87.22 HOLE7.1 ; C144.2 C138.2 ; v1(47.96,10.59) 47.32,11.23 C143.1 ; v1(46.81,10.59) 47.32,11.1 C143.1 ; USB-OTG1.0 2.11,67.55 PB1.0 ; USB-OTG1.0 1.64,65.63 0.96,64.94 USB-OTG1.0 USB-OTG1.0 0.96,59.58 USB-OTG1.0 USB-OTG1.0 6.17,57.84 ; USB-OTG1.0 USB-OTG1.0 5.58,66.58 PB1.0 ; 7.7,55.04 3.74,55.04 EUEXT1.0 ; EUEXT1.0 3.66,42.56 4.03,42.19 ; CON1.0 4.03,15.35 USB3.0 2.49,13.81 2.49,8.19 USB3.0 3.86,8.18 5.92,8.18 v1(5.92,8.81) v1(6.81,8.81) ; C89.1 28.52,76.38 v1(29.29,76.38) ; C167.1 74.5,11.61 C172.1 74.5,9.83 C174.1 ; L9.1 89.99,45.14 v1(89.99,46.28) ; C38.1 31.06,69.53 v1(29.92,69.53) ; C95.2 C84.2 C93.1 ; C143.1 46.56,12.62 42.24,12.62 C180.1 ; C70.1 C69.1 ; v1(39.32,17.83) 38.81,17.32 C76.2 C85.1 ; v1(56.59,11.23) v1(55.57,11.23) v1(54.56,11.23) ; U6.2 v1(11.76,69.9) ; v1(11.76,69.9) v1(10.62,69.9) ; v1(89.36,53.14) v1(90.5,53.14) 91.64,53.14 ; C190.1 51.89,56.69 52.65,55.93 52.65,54.15 v1(52.27,53.77) v1(53.03,53.01) 52.15,52.12 R36.1 ; C161.1 C126.1 ; 64.59,23.04 C108.2 ; Q1.3 20.01,13.9 v1(18.87,13.9) 17.98,13.9 C113.2 ; 23.06,58.22 v1(21.79,58.22) ; C157.1 C159.1 C165.1 C164.1 C162.1 99.14,9.7 99.01,9.58 C112.1 C154.1 ; C122.1 101.55,19.1 ; 90.25,58.47 C119.1 ; 90.25,60.5 C118.1 ; C129.1 C131.1 77.8,27.99 C181.1 ; C125.1 101.42,14.78 ; v1(87.6,28.8) v1(88.5,28.8) 88.5,28.02 C145.1 C133.1 86.69,28.12 v1(86.69,28.75) 87.55,28.75 v1(87.6,28.8) ; 15.06,11.48 v1(16.08,11.48) v1(16.08,10.59) 15.95,10.59 C193.2 15.06,11.48
  Top w1.524: 85.8,48.06 85.8,50.09